# Altium PCB TIDA-010056.PcbDoc (part 1 of 3) (continued)
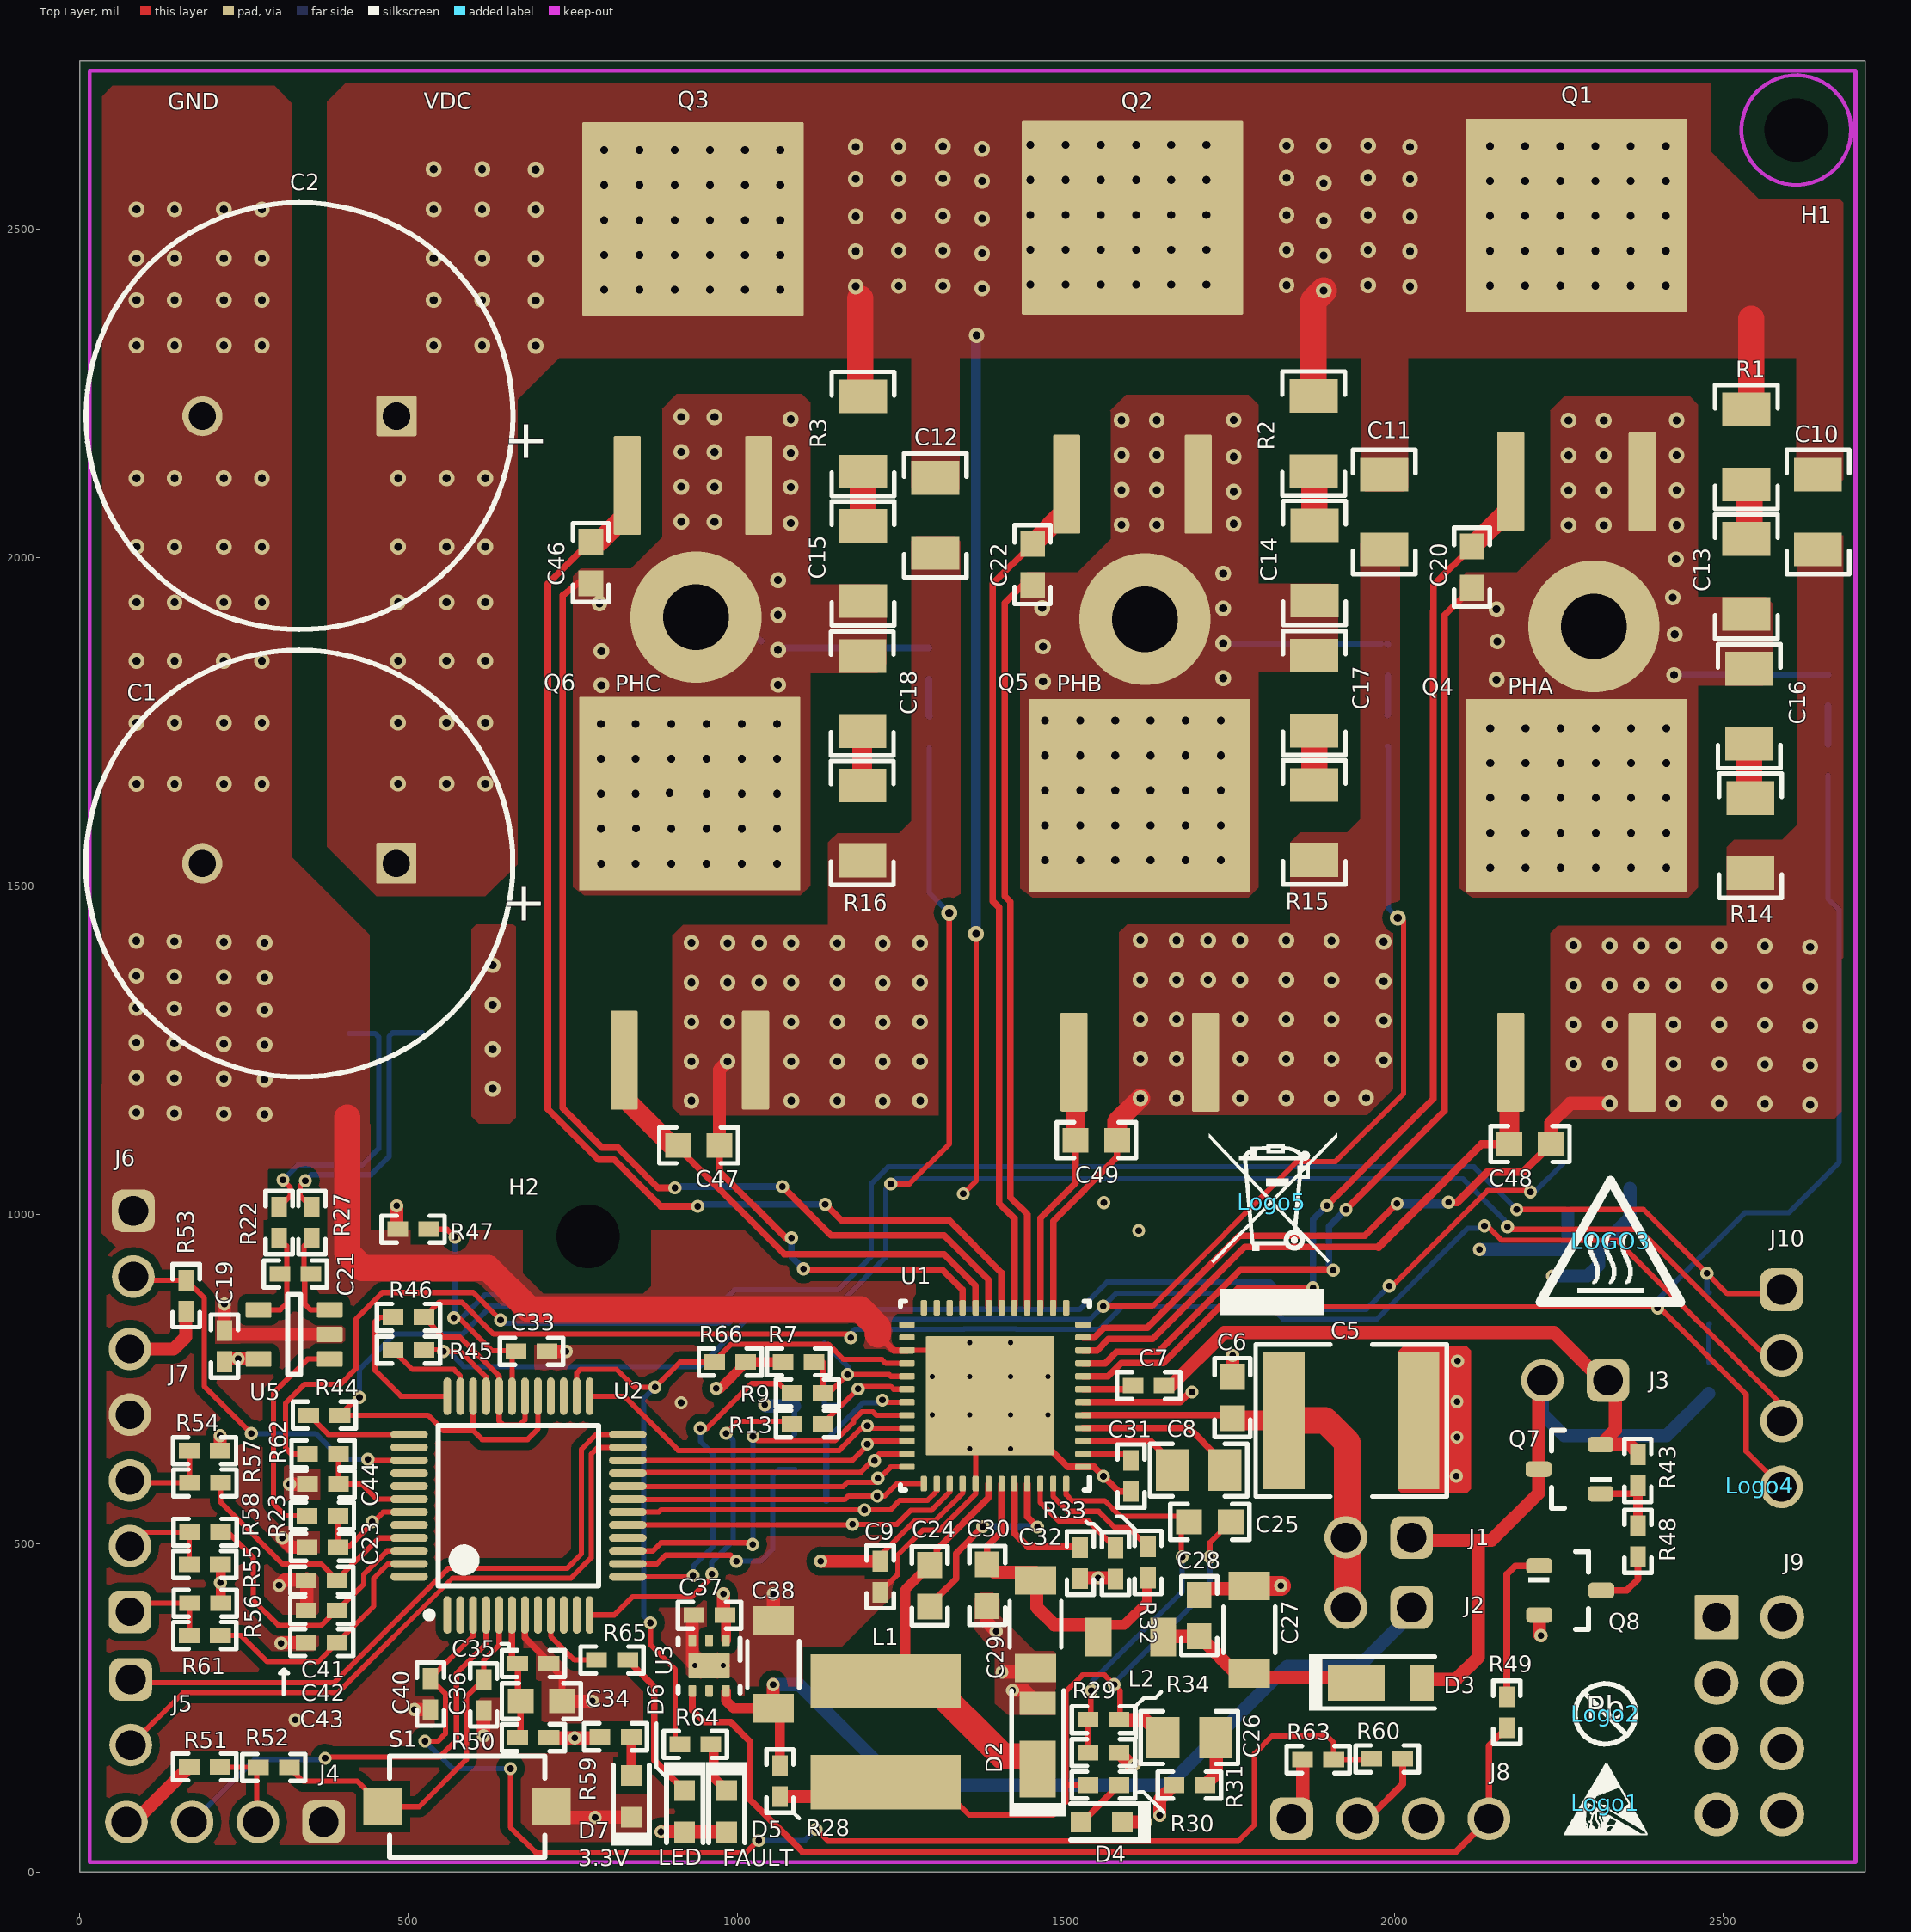
[diagram p0: Top Layer view]
## Design rules (kind name [scope] priority, off if disabled: settings)
AcuteAngle [All] p1: minimum=4.50000000000000E+0001 checktracksonly=FALSE
AssemblyTestPointUsage [All] p1: valid=2
Clearance Clearance_u1 [InPadClass('U1')] p1: gap=7.7 ignorepadtopadclearanceinfootprint=FALSE except(0: Arc-Hole Track-Hole SMDPad-Hole THPad-Hole Via-Hole Fill-Hole Poly-Hole Region-Hole Text-Hole)
Clearance Clearance_Boardedge_poly [OnCopper and InPolygon vs IsKeepOut] p2: gap=5 ignorepadtopadclearanceinfootprint=FALSE except(0: Arc-Hole Track-Hole SMDPad-Hole THPad-Hole Via-Hole Fill-Hole Poly-Hole Region-Hole Text-Hole)
Clearance Clearance_MTG_COPPER [InPadClass('MTG') vs InPolygon] p3: gap=40 ignorepadtopadclearanceinfootprint=FALSE except(0: Arc-Hole Track-Hole SMDPad-Hole THPad-Hole Via-Hole Fill-Hole Poly-Hole Region-Hole Text-Hole)
Clearance "Shape to Shape" [InPolygon vs InPolygon] p4: gap=20 ignorepadtopadclearanceinfootprint=FALSE except(0: Arc-Hole Track-Hole SMDPad-Hole THPad-Hole Via-Hole Fill-Hole Poly-Hole Region-Hole Text-Hole)
Clearance "shape to all" [InPolygon] p5: gap=12 ignorepadtopadclearanceinfootprint=FALSE except(0: Arc-Hole Track-Hole SMDPad-Hole THPad-Hole Via-Hole Fill-Hole Poly-Hole Region-Hole Text-Hole)
Clearance "Clearance_via_thr pin" [IsVia vs IsThruPin] p6: gap=8 ignorepadtopadclearanceinfootprint=FALSE except(0: Arc-Hole Track-Hole SMDPad-Hole THPad-Hole Via-Hole Fill-Hole Poly-Hole Region-Hole Text-Hole)
Clearance [All] p7: gap=7 ignorepadtopadclearanceinfootprint=FALSE except(0: Arc-Hole Track-Hole SMDPad-Hole THPad-Hole Via-Hole Fill-Hole Poly-Hole Region-Hole Text-Hole)
DiffPairsRouting DiffPair_DiffPairsRouting [InDifferentialPair ('kan')] p1: maxlimit=10 minlimit=10 mostfreqgap=10 toplayer_minwidth=15 toplayer_maxwidth=15 toplayer_prefwidth=15 midlayer1_minwidth=15 midlayer1_maxwidth=15 midlayer1_prefwidth=15 midlayer2_minwidth=15 midlayer2_maxwidth=15 midlayer2_prefwidth=15 bottomlayer_minwidth=15 bottomlayer_maxwidth=15 bottomlayer_prefwidth=15 maxuncoupledlength=500
DiffPairsRouting DiffPair_DiffPairsRouting_1 [InDifferentialPair ('kan')] p2: maxlimit=10 minlimit=10 mostfreqgap=10 toplayer_minwidth=15 toplayer_maxwidth=15 toplayer_prefwidth=15 midlayer1_minwidth=15 midlayer1_maxwidth=15 midlayer1_prefwidth=15 midlayer2_minwidth=15 midlayer2_maxwidth=15 midlayer2_prefwidth=15 bottomlayer_minwidth=15 bottomlayer_maxwidth=15 bottomlayer_prefwidth=15 maxuncoupledlength=500
DiffPairsRouting [All] p3: maxlimit=100 minlimit=10 mostfreqgap=10 toplayer_minwidth=15 toplayer_maxwidth=15 toplayer_prefwidth=15 midlayer1_minwidth=15 midlayer1_maxwidth=15 midlayer1_prefwidth=15 midlayer2_minwidth=15 midlayer2_maxwidth=15 midlayer2_prefwidth=15 bottomlayer_minwidth=15 bottomlayer_maxwidth=15 bottomlayer_prefwidth=15 maxuncoupledlength=1000
FabricationTestPointUsage TestPointUsage [All] p1: valid=2 allowmultiple=FALSE
FabricationTestpoint Testpoint [All] p1: side=3 testpointundercomponent=TRUE minsize=40 maxsize=100 preferedsize=60 minholesize=0 maxholesize=40 preferedholesize=32 testpointgrid=1 allowsidetop=TRUE allowsidebottom=TRUE usegrid=TRUE gridtolerance=0.01
FanoutControl Fanout_LCC [IsLCC] p1: bgadir=Out bgaviamode=Centered fanoutstyle=Auto fanoutdirection=Alternating viagrid=1 // Fanout_LCC (Default Rule)
FanoutControl Fanout_BGA [IsBGA] p2: bgadir=Out bgaviamode=Centered fanoutstyle=Auto fanoutdirection=Alternating viagrid=1 // Fanout_BGA (Default Rule)
FanoutControl Fanout_Default [All] p4: bgadir=Out bgaviamode=Centered fanoutstyle=Auto fanoutdirection=Alternating viagrid=1 // Fanout_Default (Default Rule)
FanoutControl Fanout_Small [(CompPinCount < 5)] p5: bgadir=Out bgaviamode=Centered fanoutstyle=Auto fanoutdirection=OutThenIn viagrid=1 // Fanout_Small (Default Rule)
HoleSize [All] p1: absolutevalues=TRUE maxlimit=1000 minlimit=7 maxpercent=80.000 minpercent=20.000
MatchedLengths DiffPair_MatchedLengths [InDifferentialPair ('kan')] p1: tolerance=1000 checknetsindiffpair=TRUE checkdiffpairvsdiffpair=FALSE checkxsignals=FALSE checkothers=FALSE
MatchedLengths DiffPair_MatchedLengths_1 [InDifferentialPair ('kan')] p2: tolerance=1000 checknetsindiffpair=TRUE checkdiffpairvsdiffpair=FALSE checkxsignals=FALSE checkothers=FALSE
MinimumAnnularRing [All] p1: minimumring=5
MinimumAnnularRing MinimumAnnularRing_ThermalPadVias [IsVia and InAnyComponent] p2: minimumring=5.91
MinimumSolderMaskSliver MinimumSolderMaskSliver_Logo [InComponentClass('Logo') vs InComponentClass('Logo')] p1: minsoldermaskwidth=0.7
MinimumSolderMaskSliver [All] p2: minsoldermaskwidth=3.94
PlaneClearance [All] p1: clearance=15
PolygonConnect [All] p1: connectstyle=Direct reliefconductorwidth=10 reliefentries=4 polygonreliefangle="90 Angle" airgapwidth=10
RoutingVias RoutingVias_power [InNetClass('POWER')] p1: holewidth=16 width=32 viastyle="Through Hole" minholewidth=7.87 minwidth=19.68 maxholewidth=16 maxwidth=32
RoutingVias ThermalPadVias [IsVia and InAnyComponent] p2: holewidth=8 width=20 viastyle="Through Hole" minholewidth=7.87 minwidth=19 maxholewidth=12 maxwidth=24
RoutingVias [All] p3: holewidth=10 width=20 viastyle="Through Hole" minholewidth=7.87 minwidth=19.68 maxholewidth=100 maxwidth=200
SMDToCorner [All] p1: distance=30000
SilkToSilkClearance [All] p1: silktosilkclearance=5
SilkToSolderMaskClearance SilkscreenOverComponentPads [IsPad] p1: minsilkscreentomaskgap=0 clearancetoexposedcopper=TRUE
SolderMaskExpansion [All] p1: expansion=3
Width Width_power [InNetClass('pwr')] p1: maxlimit=200 minlimit=10 preferedwidth=20
Width [All] p2: maxlimit=100 minlimit=6 preferedwidth=8 checkconnectedcopper=TRUE
17 further rules are at their usual default settings.

## Classes and differential pairs
component class TIDA-010056_Page2: C34 C35 C36 C37 C38 C39 C40 C41 C42 C43 C44 C45 C? D5 D6 D7 J4 J5 J6 J7 J8 J9 J10 R50 R51 R52 R53 R54 R55 R56 R57 R58 R59 R60 R61 R62 R63 R64 R65 R? S1 U2 U3 U4
component class TIDA-010056_Page1: C1 C2 C3 C4 C5 C6 C7 C8 C9 C10 C11 C12 C13 C14 C15 C16 C17 C18 C19 C20 C21 C22 C23 C24 C25 C26 C27 C28 C29 C30 C31 C32 C33 C46 C47 C48 C49 D1 D2 D3 D4 J1 J2 J3 L1 L2 Q1 Q2 Q3 Q4 Q5 Q6 Q7 Q8 R1 R2 R3 R4 R5 R6 R7 R8 R9 R10 R13 R14 R15 R16 R17 R22 R23 R24 R25 R27 R28 R29 R30 R31 R32 R33 R34 R35 R36 R37 R38 R39 R40 R41 R42 R43 R44 R45 R46 R47 R48 R49 R66 U1 U5
component class AssemblyNote: ZZ1 ZZ2 ZZ3 ZZ4
component class TIDA-010056_Hardware: H1 H2 H3 H4 Logo1 Logo2 LOGO3 Logo4 Logo5 U? ZZ1 ZZ2 ZZ3 ZZ4
pad class U1: U9-39 U9-40 U9-41
component class Header: J1 J2 J3 J4 J5 J6 J7 J8 J10

## Components (designator, comment, footprint, x,y, rotation, side; value= is the part's Value field where it differs from the comment)
C1 "EEU-FS2A391" YXJ_1600X2500 333.81,1534.49 r180 top value=390uF
C2 "EEU-FS2A391" YXJ_1600X2500 334.04,2215.49 r180 top value=390uF
C3 "C3216X7R2A104K160AA" 1206_180 346.38,1811 r180 bottom value=0.1uF
C4 "CL31B225KCHSNNE" 1206 349.12,1962 r180 bottom value=2.2uF
C5 "22201C106MAT2A" 2220_280 1934.19,687.09 r0 top value=10uF
C6 "GRM188R72A104KA35D" 0603 1753.64,722 r90 top value=0.1uF
C7 "CL05A105MO5NNNC" 0402 1626,740 r0 top value=1uF
C8 "GRM21BR72A473KA01L" 0805_HV 1702.19,611.54 r0 top value=0.047uF
C9 "GRM152R60J105ME15D" 0402 1217.64,449.2 r270 top value=1uF
C10 "CL31B225KCHSNNE" 1206 2644.45,2069.52 r270 top value=2.2uF
C11 "CL31B225KCHSNNE" 1206 1984.45,2069.52 r270 top value=2.2uF
C12 "CL31B225KCHSNNE" 1206 1301.45,2064.52 r270 top value=2.2uF
C13 "12061C392KAZ2A" 1206 2535.45,1971.52 r270 top value=3900pF
C14 "12061C392KAZ2A" 1206 1878.45,1992 r270 top value=3900pF
C15 "12061C392KAZ2A" 1206 1191.45,1991.26 r270 top value=3900pF
C16 "12061C392KAZ2A" 1206 2539.76,1774 r270 top value=3900pF
C17 "12061C392KAZ2A" 1206 1877.9,1794 r270 top value=3900pF
C18 "12061C392KAZ2A" 1206 1190.45,1793.26 r270 top value=3900pF
C19 "GCM155R71A104KA55D" 0402 220,800 r270 top value=0.1uF
C20 "885012206083" 0603 2118.02,1985.52 r270 top value=1000pF
C21 "GRM155R71H332KA01D" 0402 328,910 r180 top value=3300pF
C22 "885012206083" 0603 1449.45,1989.52 r270 top value=1000pF
C23 "GRM155R71C102KA01D" 0402 369,494 r180 top value=1000pF
C24 "885012206114" 0603 1293,435.46 r90 top value=0.01uF
C25 "GRM1885C1H302JA01D" 0603 1719.19,532.69 r180 top value=3000pF
C26 "C2012X7R1H225K125AC" 0805_HV 1688,204.38 r0 top value=2.2uF
C27 "C3216X7S2A335M160AB" 1206_190 1779.19,368.54 r90 top value=3.3uF
C28 "GRM188R72A104KA35D" 0603 1703,390 r90 top value=0.1uF
C29 "C3216X7S2A335M160AB" 1206_190 1454,377 r270 top value=3.3uF
C30 "GRM188R72A104KA35D" 0603 1380.47,436.19 r270 top value=0.1uF
C31 "CL05A105MO5NNNC" 0402 1599.19,602.54 r270 top value=1uF
C32 "CGB2A1X5R1C474K033BC" 0402 1522.19,470 r270 top value=0.47uF
C33 "GCM155R71A104KA55D" 0402 687.26,792.19 r0 top value=0.1uF
C34 "GRM188R61A106KE69D" 0603 702,260 r0 top value=10uF
C35 "GCM155R71A104KA55D" 0402 690,317 r0 top value=0.1uF
C36 "GRM155R71C102KA01D" 0402 614.31,269.23 r270 top value=1000pF
C37 "885012105013" 0402 958,390.46 r180 top value=2.2uF
C38 "C3216X7R1V106M160AC" 1206_190 1055,316 r90 top value=10uF
C39 "GCM155R71A104KA55D" 0402 370,632.09 r180 bottom value=0.1uF
C40 "GCM155R71A104KA55D" 0402 533.31,270.61 r270 top value=0.1uF
C41 "GRM155R71C102KA01D" 0402 368,444 r180 top value=1000pF
C42 "GRM155R71C102KA01D" 0402 368,398 r180 top value=1000pF
C43 "GRM155R71C102KA01D" 0402 368,349 r180 top value=1000pF
C44 "GCM155R71A104KA55D" 0402 370,590 r180 top value=0.1uF
C45 "GCM155R71A104KA55D" 0402 2287,948 r0 bottom value=0.1uF
C46 "885012206083" 0603 777.45,1992.52 r270 top value=1000pF
C47 "885012206083" 0603 941.45,1105.52 r0 top value=1000pF
C48 "885012206083" 0603 2206.45,1107.52 r0 top value=1000pF
C49 "885012206083" 0603 1546.45,1113.52 r0 top value=1000pF
D1 "SMBJ70CA-13-F" SMB-BI 348,2489 r0 bottom value=70V
D2 "DFLS1200-7" POWERDI123 1457.19,206.54 r90 top value=200V
D3 "DFLS1200-7" POWERDI123 1992,288.24 r0 top value=200V
D4 "LED_A2_K1" WL-SMCW_GREEN 1554.5,76 r180 top value=Green
D5 "150060GS75000" WL-SMCW_GREEN 984.29,92.2 r270 top value=RED
D6 "150060GS75000" WL-SMCW_GREEN 920.29,92.2 r270 top value=YELLOW
D7 "150060GS75000" WL-SMCW_GREEN 839,115 r90 top value=GREEN
H1 "NY PMS 256 0025 PH" "NY PMS 256 0025 PH" 2611.37,2650.8 r180 top
H2 "NY PMS 256 0025 PH" "NY PMS 256 0025 PH" 773.14,967 r180 top
J1 "61300211121" WURTH_61300211121 1976,509 r180 top
J2 "61300211121" WURTH_61300211121 1976,402 r180 top
J3 "61300211121" WURTH_61300211121 2275,748 r180 top
J4 "61300411121" WURTH_61300411121 220.81,76 r180 top
J5 "61300211121" WURTH_61300211121 77.31,243.07 r270 top
J6 "61300211121" WURTH_61300211121 81.29,956 r270 top
J7 "61300511121" Wurth_61300511121 76.16,595.81 r90 top
J8 "61300411121" WURTH_61300411121 1993.75,80.83 r0 top
J9 "61300821121" FP-61300821121_HDR8-MFG 2540,237.78 r270 top
J10 "61300411121" WURTH_61300411121 2589,736 r270 top
L1 "SDR0604-331KL" SDR0604 1226,213.22 r270 top value=330uH
L2 "Inductor_Iron" NLCV25 1599,357.49 r180 top value=33uH
Logo1 "ESD Susceptible" ESD_OVERLAY_SMALL 2321,105 r0 top
Logo2 "Pb-Free Symbol" PB-FREE_OVERLAY_SMALL 2321,240.54 r0 top
LOGO3 "CAUTION HOT SURFACE" IEC_HOTSURFACE_SMALL 2328.69,960 r0 top
Logo4 "FCC disclaimer" FCC_disclaimer 2555.85,587.85 r90 top
Logo5 "WEEE logo" WEEE_Minimum 1813.56,1019.85 r0 top
Q1 "CSD19536KTT" KTT0002A 2276.95,2387.39 r90 top value=100V
Q2 "CSD19536KTT" KTT0002A 1601.45,2383.52 r90 top value=100V
Q3 "CSD19536KTT" KTT0002A 932.76,2381.73 r90 top value=100V
Q4 "CSD19536KTT" KTT0002A 2276.95,1504 r90 top value=100V
Q5 "CSD19536KTT" KTT0002A 1612.45,1504 r90 top value=100V
Q6 "CSD19536KTT" KTT0002A 927.95,1506.9 r90 top value=100V
Q7 "FMMT593TA" SOT-23 2266.51,612.88 r180 top value="100 V"
Q8 "FMMT493TA" SOT-23 2267.51,428.4 r0 top value="100 V"
R1 "CRCW12061R50FKEA" 1206 2535.45,2168.52 r90 top value=1.50
R2 "CRCW12061R50FKEA" 1206 1877.13,2189 r90 top value=1.50
R3 "CRCW12061R50FKEA" 1206 1191.45,2188.26 r90 top value=1.50
R4 "RC0402JR-070RL" 0402 1109,805.39 r180 bottom value=0
R5 "CRCW040275K0JNED" 0402 1109,710.11 r0 bottom value=75k
R6 "ERJ-2RKF1802X" 0402 1109,757.08 r0 bottom value=18.0k
R7 "ERJ-2RKF1002X" 0402 1093.49,776.38 r180 top value=10.0k
R8 "ERJ-2RKF1802X" 0402 1113,659 r0 bottom value=18.0k
R9 "ERJ-2GEJ101X" 0402 1107,728.91 r0 top value=100
R10 "CRCW040275K0JNED" 0402 1112,565 r0 bottom value=75k
R13 "ERJ-2GEJ101X" 0402 1107,682 r0 top value=100
R14 "CRCW12061R50FKEA" 1206 2541.76,1577 r90 top value=1.50
R15 "CRCW12061R50FKEA" 1206 1877.9,1597 r90 top value=1.50
R16 "CRCW12061R50FKEA" 1206 1190.45,1596.26 r90 top value=1.50
R17 "ERJ-2GEJ101X" 0402 1112,612.61 r0 bottom value=100
R22 "CRCW040210R0FKED" 0402 353,988 r270 top value=10.0
R23 "ERJ-2GEJ101X" 0402 369,542 r0 top value=100
R24 "CRE2512-FZ-R001E-3" CRE2512-R1_R4 465,1362.89 r0 bottom value=0.001
R25 "CRE2512-FZ-R001E-3" CRE2512-R1_R4 465,1187.63 r0 bottom value=0.001
R27 "CRCW040210R0FKED" 0402 303.12,988 r270 top value=10.0
R28 "RC0402JR-070RL" 0402 1065,138.35 r90 top value=0
R29 "CRCW040220K0FKED" 0402 1557.17,231.54 r0 top value=20.0k
R30 "CRCW040220K0FKED" 0402 1557.19,132 r180 top value=20.0k
R31 "ERJ-2BQFR91X" 0402 1688,132 r0 top value=0.91
R32 "RC0402FR-07249KL" 0402 1625,471 r90 top value=249k
R33 "AC0402FR-07133KL" 0402 1575.48,469.54 r90 top value=133k
R34 "RC0402FR-074K02L" 0402 1557.19,181.54 r180 top value=4.02k
R35 "CRCW04022M00FKED" 0402 2478.27,751.62 r270 bottom value=2.00Meg
R36 "RC0402FR-07249KL" 0402 2659.64,1798.52 r90 bottom value=249k
R37 "RC0402FR-07249KL" 0402 1989.93,1844.35 r90 bottom value=249k
R38 "RC0402FR-07249KL" 0402 1291.57,1839.2 r90 bottom value=249k
R39 "CRCW04022M00FKED" 0402 2479,857.62 r270 bottom value=2.00Meg
R40 "RC0402FR-07249KL" 0402 2659.64,1692.52 r90 bottom value=249k
R41 "RC0402FR-07249KL" 0402 1989.45,1736.73 r90 bottom value=249k
R42 "RC0402FR-07249KL" 0402 1292.45,1734.85 r90 bottom value=249k
R43 "ERJ-2RKF9762X" 0402 2370.32,611.07 r90 top value=97.6k
R44 "RC0402FR-0723K2L" 0402 372,695.15 r0 top value=23.2k
R45 "RC0402FR-0723K2L" 0402 500,794.38 r0 top value=23.2k
R46 "RC0402FR-0723K2L" 0402 500,843.99 r0 top value=23.2k
R47 "ERJ-2RKF1913X" 0402 507,978 r0 top value=191k
R48 "CRCW04022M00FKED" 0402 2370.57,503.07 r90 top value=2.00Meg
R49 "ERJ-2RKF3301X" 0402 2171,243 r270 top value=3.30k
R50 "CRCW04023R32FKED" 0402 690,204.24 r180 top value=3.32
R51 "RC0402FR-0747KL" 0402 190,160 r180 top value=47.0k
R52 "ERJ-2GEJ101X" 0402 295,159 r0 top value=100
R53 "CRCW04022M00FKED" 0402 161.74,877 r270 top value=2.00Meg
R54 "ERJ-2RKF3301X" 0402 189.74,641 r0 top value=3.30k
R55 "ERJ-2RKF3301X" 0402 190.16,468 r0 top value=3.30k
R56 "ERJ-2RKF3301X" 0402 190.78,408.81 r0 top value=3.30k
R57 "ERJ-2GEJ101X" 0402 190.37,592 r0 top value=100
R58 "ERJ-2GEJ101X" 0402 190.54,516.79 r0 top value=100
R59 "ERJ-2RKF1001X" 0402 815,205.66 r180 top value=1.00k
R60 "ERJ-2RKF1002X" 0402 1989,172 r0 top value=10.0k
R61 "ERJ-2GEJ101X" 0402 190.16,359.81 r0 top value=100
R62 "ERJ-2RKF1002X" 0402 370,636 r180 top value=10.0k
R63 "ERJ-2RKF1004X" 0402 1884,171 r0 top value=1.00Meg
R64 "ERJ-2RKF1001X" 0402 936.35,194.12 r0 top value=1.00k
R65 "ERJ-2RKF1001X" 0402 809.71,322.47 r0 top value=1.00k
R66 "ERJ-2RKF1002X" 0402 989.53,776 r0 top value=10.0k
S1 "434121025816" SW_434121025816 589.05,99.35 r180 top
U1 "DRV8350RHRGZR" RGZ0048L 1392.29,724.68 r180 top locked
U2 "MSP430FR2355TPTR" PT0048A_N 667.31,557.46 r90 top
U3 "TPS70933DRVR" DRV0006A 957.45,313.95 r270 top
U4 "TMP235A4DBZR" DBZ0003A_N 2311,1040 r0 bottom
U5 "INA180A3IDBV" DBV0005A_N 326,818 r180 top
ZZ1 "This Assembly Note is for PCB labels only" AssemblyNoteLabel -95,3553 r0 top
ZZ2 "These assemblies are ESD sensitive, ESD precautions shall be observed." AssemblyNote -95,3453 r0 top
ZZ3 "These assemblies must be clean and free from flux and all contaminants. Use of no clean flux is not acceptable." AssemblyNote -95,3340 r0 top
ZZ4 "These assemblies must comply with workmanship standards IPC-A-610 Class 2, unless otherwise specified." AssemblyNote -95,3250 r0 top
